# KiCad board baseboard.stretch_bkup.kicad_pcb
title: 1590N1 BASEBOARD - PCBA; date: 2023-08-19; rev: A; company: Alessandro Rizzoni; note: PCB; note: DRAFT; note: AIR
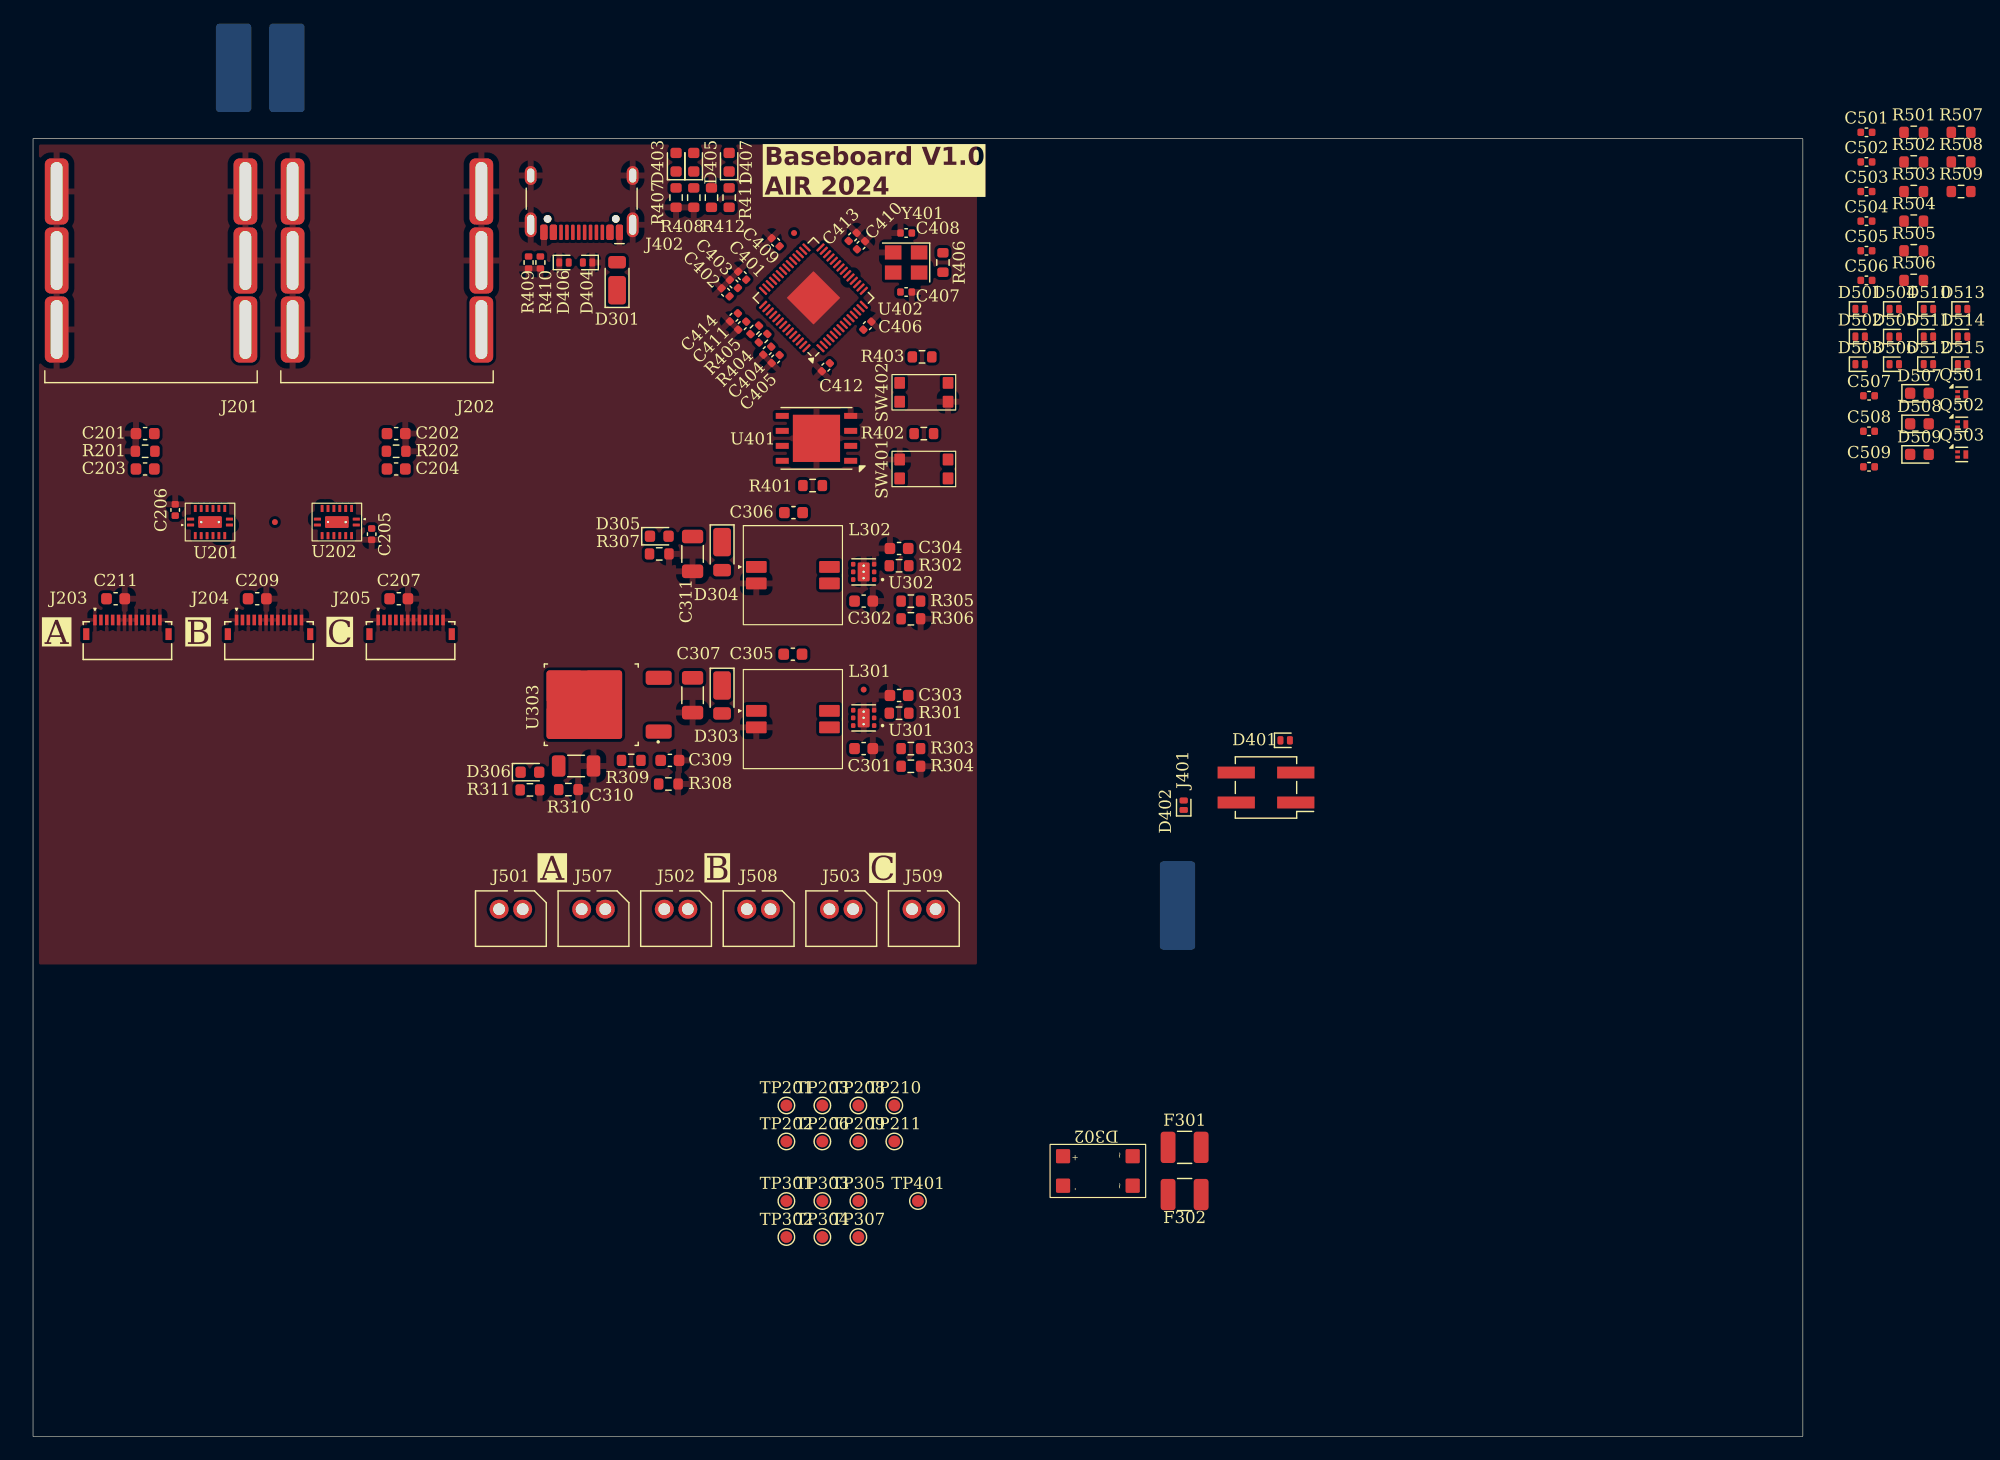
[diagram p0: board, top side]
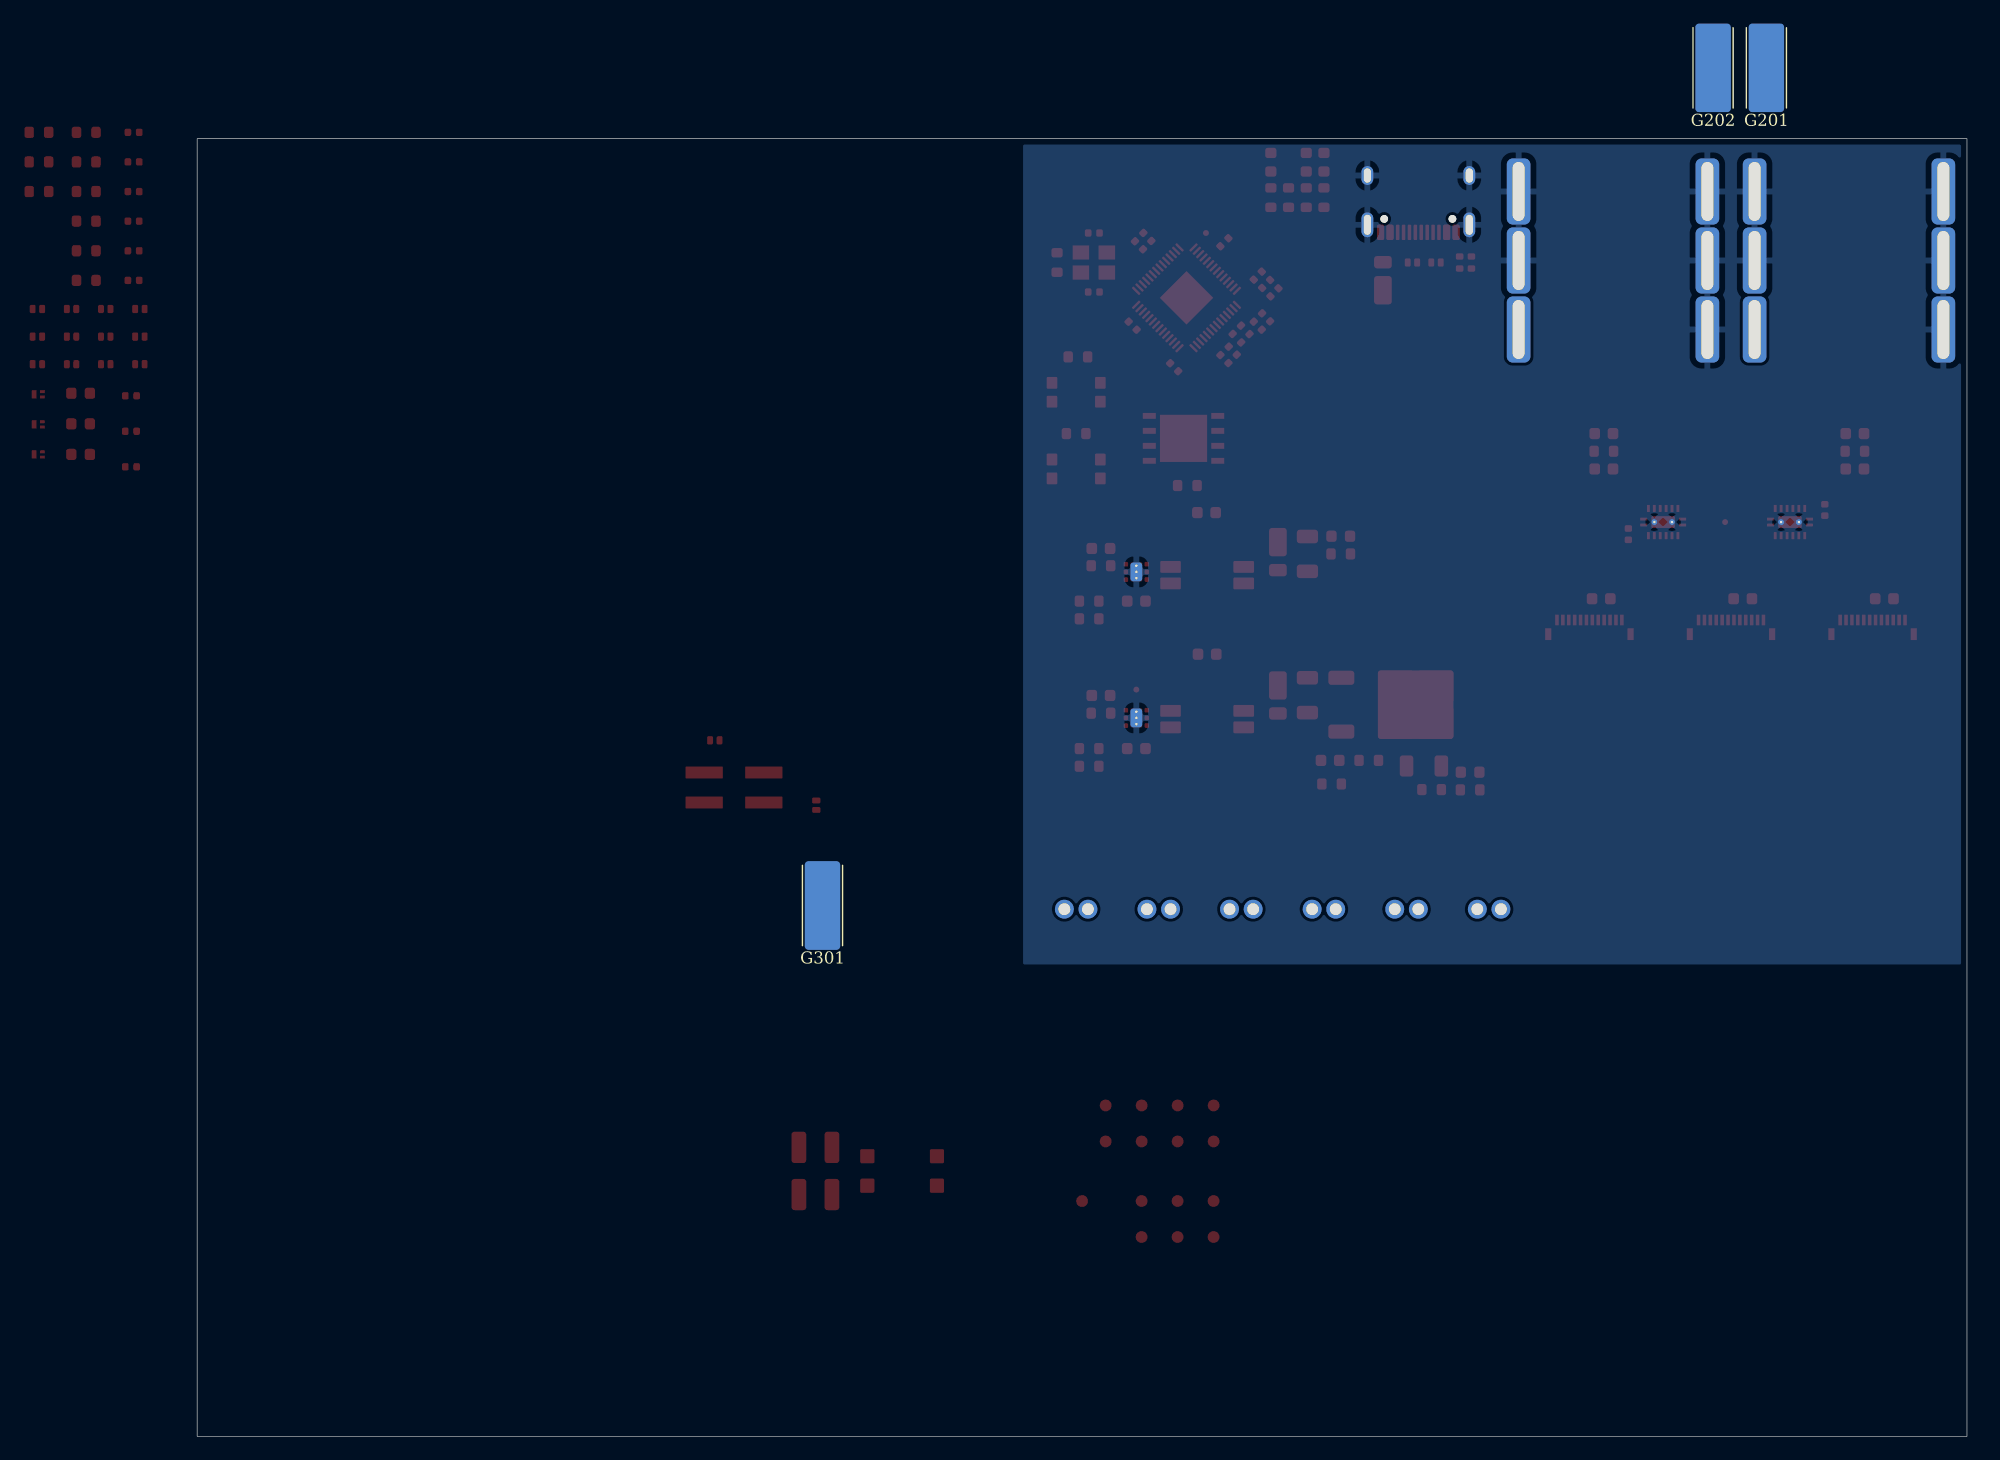
[diagram p1: board, bottom side, seen from below]

Outline 150 x 110 mm; copper layers: F.Cu (Signal), In1.Cu (Ground) (plane), In2.Cu (Signal), B.Cu (Ground). Coordinates in mm from the lower left corner of the outline.
Outline path: rectangle 0,110 150,0
Stack: F.Cu (Signal) 0.035mm / dielectric 0.1mm FR4 er 4.5 / In1.Cu (Ground) 0.0152mm / dielectric 1.2796mm Copper er 4.5 / In2.Cu (Signal) 0.0152mm / dielectric 0.1mm FR4 er 4.5 / B.Cu (Ground) 0.035mm

## Placement (name value [footprint] x y rotation side)
C201  150p  [C_0603_1608Metric]  9.5 85 180 top
C202  150p  [C_0603_1608Metric]  30.78 85 0 top
C203  39n  [C_0603_1608Metric]  9.5 82 180 top
C204  39n  [C_0603_1608Metric]  30.78 82 0 top
C205  100n  [C_0402_1005Metric]  28.7 76.48 270 top
C206  100n  [C_0402_1005Metric]  12.05 78.53 90 top
C207  1u  [C_0603_1608Metric]  31 71 180 top
C209  1u  [C_0603_1608Metric]  19 71 180 top
C211  1u  [C_0603_1608Metric]  7 71 180 top
C301  1u  [C_0603_1608Metric]  70.4 58.3 180 top
C302  1u  [C_0603_1608Metric]  70.4 70.8 0 top
C303  680p  [C_0603_1608Metric]  73.4 62.8 180 top
C304  680p  [C_0603_1608Metric]  73.4 75.26 180 top
C305  1u  [C_0603_1608Metric]  64.4 66.3 180 top
C306  1u  [C_0603_1608Metric]  64.45 78.3 180 top
C307  12u  [C_1206_3216Metric]  55.9 62.83 90 top
C309  1u  [C_0603_1608Metric]  53.98 57.3 180 top
C310  12u  [C_1206_3216Metric]  46.03 56.83 180 top
C311  12u  [C_1206_3216Metric]  55.9 74.8 90 top
C401  100n  [C_0402_1005Metric]  60.11 98.39 135 top
C402  100n  [C_0402_1005Metric]  58.69 96.97 135 top
C403  100n  [C_0402_1005Metric]  59.4 97.68 135 top
C404  100n  [C_0402_1005Metric]  62.23 92.03 225 top
C405  100n  [C_0402_1005Metric]  62.94 91.32 225 top
C406  100n  [C_0402_1005Metric]  70.71 94.15 45 top
C407  15p  [C_0402_1005Metric]  74 97 180 top
C408  15p  [C_0402_1005Metric]  74 102 0 top
C409  100n  [C_0402_1005Metric]  62.94 101.22 135 top
C410  100n  [C_0402_1005Metric]  70.18 100.96 45 top
C411  1u  [C_0402_1005Metric]  60.11 94.15 225 top
C412  100n  [C_0402_1005Metric]  67.19 90.63 225 top
C413  100n  [C_0402_1005Metric]  69.47 101.67 45 top
C414  1u  [C_0402_1005Metric]  59.4 94.85 225 top
C501  100n  [C_0402_1005Metric]  155.39 110.54 0 top
C502  100n  [C_0402_1005Metric]  155.39 108.03 0 top
C503  100n  [C_0402_1005Metric]  155.39 105.52 0 top
C504  100n  [C_0402_1005Metric]  155.39 103.01 0 top
C505  100n  [C_0402_1005Metric]  155.39 100.5 0 top
C506  100n  [C_0402_1005Metric]  155.39 97.99 0 top
C507  1u  [C_0402_1005Metric]  155.61 88.21 0 top
C508  1u  [C_0402_1005Metric]  155.61 85.2 0 top
C509  1u  [C_0402_1005Metric]  155.61 82.19 0 top
D301  DFLS240L-7  [D_PowerDI-123]  49.5 98 90 top
D302  CD-HD2004  [BOURNS_CD_HD2x]  95.8 22.45 90 top
D303  DFLS240L-7  [D_PowerDI-123]  58.4 62.8 270 top
D304  DFLS240L-7  [D_PowerDI-123]  58.4 74.95 270 top
D305  RED  [LED_0603_1608Metric]  53.07 76.3 0 top
D306  RED  [LED_0603_1608Metric]  42.11 56.3 0 top
D401  DESD3V3S1BL-7B  [D_SOD-882D]  106.12 59 0 top
D402  DESD3V3S1BL-7B  [D_SOD-882D]  97.53 53.5 90 top
D403  GREEN  [LED_0603_1608Metric]  54.5 108 90 top
D404  DESD3V3S1BL-7B  [D_SOD-882D]  47 99.5 180 top
D405  YELLOW  [LED_0603_1608Metric]  56 108 90 top
D406  DESD3V3S1BL-7B  [D_SOD-882D]  45 99.5 0 top
D407  RED  [LED_0603_1608Metric]  59 108 90 top
D501  DESD3V3S1BL-7B  [D_SOD-882D]  154.85 95.56 0 top
D502  DESD3V3S1BL-7B  [D_SOD-882D]  154.85 93.22 0 top
D503  DESD3V3S1BL-7B  [D_SOD-882D]  154.85 90.88 0 top
D504  DESD3V3S1BL-7B  [D_SOD-882D]  157.75 95.56 0 top
D505  DESD3V3S1BL-7B  [D_SOD-882D]  157.75 93.22 0 top
D506  DESD3V3S1BL-7B  [D_SOD-882D]  157.75 90.88 0 top
D507  RED  [LED_0603_1608Metric]  159.88 88.42 0 top
D508  RED  [LED_0603_1608Metric]  159.88 85.83 0 top
D509  RED  [LED_0603_1608Metric]  159.88 83.24 0 top
D510  DESD3V3S1BL-7B  [D_SOD-882D]  160.65 95.56 0 top
D511  DESD3V3S1BL-7B  [D_SOD-882D]  160.65 93.22 0 top
D512  DESD3V3S1BL-7B  [D_SOD-882D]  160.65 90.88 0 top
D513  DESD3V3S1BL-7B  [D_SOD-882D]  163.54 95.56 0 top
D514  DESD3V3S1BL-7B  [D_SOD-882D]  163.54 93.22 0 top
D515  DESD3V3S1BL-7B  [D_SOD-882D]  163.54 90.88 0 top
F301  MF-USHT020KX-2  [Fuse_1210_3225Metric]  97.6 24.5 180 top
F302  MF-USHT020KX-2  [Fuse_1210_3225Metric]  97.6 20.5 0 top
FID201  FIDUCIAL  [Fiducial_0.5mm_Mask1mm]  20.5 77.5 0 top
FID301  FIDUCIAL  [Fiducial_0.5mm_Mask1mm]  70.4 63.3 0 top
FID401  FIDUCIAL  [Fiducial_0.5mm_Mask1mm]  64.5 102 0 top
G201  CHASSIS  [Harwin_EMI_Finger_S7061-46R]  17 116 180 bottom
G202  CHASSIS  [Harwin_EMI_Finger_S7061-46R]  21.52 116 180 bottom
G301  CHASSIS  [Harwin_EMI_Finger_S7061-46R]  97 45 180 bottom
J201  ACJS-IHS  [Amphenol_ACJS-IHS]  10 99.32 0 top
J202  ACJS-IHS  [Amphenol_ACJS-IHS]  30 99.32 0 top
J203  59453-121110ECHLF  [AMPHENOL_59453-121110ECHLF]  8 68 0 top
J204  59453-121110ECHLF  [AMPHENOL_59453-121110ECHLF]  20 68 0 top
J205  59453-121110ECHLF  [AMPHENOL_59453-121110ECHLF]  32 68 0 top
J401  2x2 PIN HEADER  [PinHeader_2x02_P2.54mm_Vertical_SMD]  104.5 55 180 top
J402  USB_C_Receptacle_USB2.0_14P  [USB_C_Receptacle_HCTL_HC-TYPE-C-16P-01A]  46.5 105.8 180 top
J501  6-440054-2  [TE_HPI_2.0MM_PITCH_MALE_HEADER_2POS]  40.5 46.44 180 top
J502  6-440054-2  [TE_HPI_2.0MM_PITCH_MALE_HEADER_2POS]  54.5 46.44 180 top
J503  6-440054-2  [TE_HPI_2.0MM_PITCH_MALE_HEADER_2POS]  68.5 46.44 180 top
J507  6-440054-2  [TE_HPI_2.0MM_PITCH_MALE_HEADER_2POS]  47.5 46.44 180 top
J508  6-440054-2  [TE_HPI_2.0MM_PITCH_MALE_HEADER_2POS]  61.5 46.44 180 top
J509  6-440054-2  [TE_HPI_2.0MM_PITCH_MALE_HEADER_2POS]  75.5 46.44 180 top
L301  22u  [EATON_DRQ73-220-R]  64.4 60.8 0 top
L302  22u  [EATON_DRQ73-220-R]  64.4 73 0 top
Q501  DMN62D0LFB-7  [Diodes_DFN1006-3]  163.47 88.33 0 top
Q502  DMN62D0LFB-7  [Diodes_DFN1006-3]  163.47 85.78 0 top
Q503  DMN62D0LFB-7  [Diodes_DFN1006-3]  163.47 83.23 0 top
R201  1M  [R_0603_1608Metric]  9.5 83.5 180 top
R202  1M  [R_0603_1608Metric]  30.78 83.5 0 top
R301  10k  [R_0603_1608Metric]  73.4 61.3 0 top
R302  10k  [R_0603_1608Metric]  73.4 73.8 0 top
R303  113k  [R_0603_1608Metric]  74.4 58.3 180 top
R304  10k  [R_0603_1608Metric]  74.4 56.8 0 top
R305  16.9k  [R_0603_1608Metric]  74.4 70.8 180 top
R306  10k  [R_0603_1608Metric]  74.4 69.3 0 top
R307  120  [R_0603_1608Metric]  53.08 74.8 0 top
R308  750  [R_0603_1608Metric]  53.85 55.3 0 top
R309  120  [R_0603_1608Metric]  50.7 57.3 0 top
R310  1k  [R_0603_1608Metric]  45.38 54.83 180 top
R311  750  [R_0603_1608Metric]  42.11 54.8 0 top
R401  10k  [R_0603_1608Metric]  66.07 80.59 0 top
R402  1k  [R_0603_1608Metric]  75.5 85 0 top
R403  1k  [R_0603_1608Metric]  75.35 91.5 180 top
R404  27.4  [R_0402_1005Metric]  61.88 93.09 45 top
R405  27.4  [R_0402_1005Metric]  61.17 93.79 45 top
R406  1k  [R_0603_1608Metric]  77.12 99.5 270 top
R407  120  [R_0603_1608Metric]  54.5 105 270 top
R408  120  [R_0603_1608Metric]  56 105 270 top
R409  5.1k  [R_0402_1005Metric]  42 99.5 90 top
R410  5.1k  [R_0402_1005Metric]  43 99.5 90 top
R411  120  [R_0603_1608Metric]  59 105 270 top
R412  120  [R_0603_1608Metric]  57.5 105 90 top
R501  120  [R_0603_1608Metric]  159.4 110.54 0 top
R502  120  [R_0603_1608Metric]  159.4 108.03 0 top
R503  120  [R_0603_1608Metric]  159.4 105.52 0 top
R504  10k  [R_0603_1608Metric]  159.4 103.01 0 top
R505  10k  [R_0603_1608Metric]  159.4 100.5 0 top
R506  10k  [R_0603_1608Metric]  159.4 97.99 0 top
R507  120  [R_0603_1608Metric]  163.41 110.54 0 top
R508  120  [R_0603_1608Metric]  163.41 108.03 0 top
R509  120  [R_0603_1608Metric]  163.41 105.52 0 top
SW401  SW_PUSH  [KMR441NG LFS]  75.5 82 0 top
SW402  SW_PUSH  [KMR441NG LFS]  75.5 88.5 180 top
TP201  TEST POINT  [TestPoint_Pad_D1.0mm]  63.85 28.05 0 top
TP202  TEST POINT  [TestPoint_Pad_D1.0mm]  63.85 25 0 top
TP203  TEST POINT  [TestPoint_Pad_D1.0mm]  66.9 28.05 0 top
TP206  TEST POINT  [TestPoint_Pad_D1.0mm]  66.9 25 0 top
TP208  TEST POINT  [TestPoint_Pad_D1.0mm]  69.95 28.05 0 top
TP209  TEST POINT  [TestPoint_Pad_D1.0mm]  69.95 25 0 top
TP210  TEST POINT  [TestPoint_Pad_D1.0mm]  73 28.05 0 top
TP211  TEST POINT  [TestPoint_Pad_D1.0mm]  73 25 0 top
TP301  TEST POINT  [TestPoint_Pad_D1.0mm]  63.85 19.95 0 top
TP302  TEST POINT  [TestPoint_Pad_D1.0mm]  63.85 16.9 0 top
TP303  TEST POINT  [TestPoint_Pad_D1.0mm]  66.9 19.95 0 top
TP304  TEST POINT  [TestPoint_Pad_D1.0mm]  66.9 16.9 0 top
TP305  TEST POINT  [TestPoint_Pad_D1.0mm]  69.95 19.95 0 top
TP307  TEST POINT  [TestPoint_Pad_D1.0mm]  69.95 16.9 0 top
TP401  TEST POINT  [TestPoint_Pad_D1.0mm]  75 19.95 0 top
U201  TMUX4053BQBR  [Texas_BQB0016A_WQFN-16]  19.25 77 90 top
U202  TMUX4053BQBR  [Texas_BQB0016A_WQFN-16]  21.5 78 270 top
U301  TPS61170  [WSON-6-1EP_2x2mm_P0.65mm_EP1x1.6mm_ThermalVias]  70.4 60.9 180 top
U302  TPS61170  [WSON-6-1EP_2x2mm_P0.65mm_EP1x1.6mm_ThermalVias]  70.4 73.27 180 top
U303  LM317AMDTX/NOPB  [TO-252-2]  47.99 62.02 180 top
U401  AT25SF128A-MHB-T  [DFN-8-1EP_6x5mm_P1.27mm_EP4x4mm]  66.4 84.6 180 top
U402  RP2040  [QFN-56-1EP_7x7mm_P0.4mm_EP3.2x3.2mm]  66.15 96.51 135 top
Y401  ABM8-272-T3  [Crystal_SMD_Abracon_ABM8G-4Pin_3.2x2.5mm]  74 99.5 180 top

## Library data of the parts
C201-C204 = -: Note 1: C0G(NP0); Note 2: 30V; ki_fp_filters: C_*
C205 C206 C401-C406 C409-C414 C501-C509 = -: ki_fp_filters: C_*
C207 C209 C211 C301 C307 C309-C311 = -: Note 1: 30V; ki_fp_filters: C_*
C302 C305 = -: Description: Unpolarized capacitor; Note 1: 30V; ki_fp_filters: C_*
C303 C304 C407 C408 = -: Description: Unpolarized capacitor; ki_fp_filters: C_*
C306 = -: Description: Unpolarized capacitor; Note #1: 30V; ki_fp_filters: C_*
D301 D303 D304 = -: Datasheet: https://www.diodes.com/assets/Datasheets/DFLS240L.pdf; Manufacturer: Diodes Inc.; Manufacturer (Alternate): Diodes Inc.; Part Number (Alternate): DFLS260L-7; ki_fp_filters: TO-???* *_Diode_* *SingleDiode* D_*
D302 = -: Datasheet: https://www.bourns.com/docs/Product-Datasheets/cd-hd2xl.pdf; Description: Diode bridge, -ve/AC/AC/+ve; Manufacturer: Bourns; Manufacturer (Alternate): Bourns; Part Number (Alternate): CD-HD2006; ki_fp_filters: D*Bridge* D*Rectifier*
D305 D306 D407 D507-D509 = -: Datasheet: https://www.we-online.com/components/products/datasheet/150060RS75000.pdf; Description: Light emitting diode, filled shape; Manufacturer: Wurth; Part Number: 150060RS75000; Manufacturer (Alternate): Lite-On Inc.; Part Number (Alternate): LTST-C193KRKT-5A; ki_fp_filters: LED* LED_SMD:* LED_THT:*
D401 D402 D404 D406 D501-D506 D510-D515 = -: Datasheet: https://www.diodes.com/assets/Datasheets/DESD3V3S1BL.pdf; Description: Bidirectional transient-voltage-suppression diode, filled shape; Manufacturer: Diodes Inc.; Manufacturer (Alternate): Diodes Inc.; Part Number (Alternate): DESD3V3E1BL-7B; ki_fp_filters: TO-???* *_Diode_* *SingleDiode* D_*
D403 = -: Datasheet: https://www.we-online.com/components/products/datasheet/150060VS75000.pdf; Description: Light emitting diode, filled shape; Manufacturer: Wurth; Part Number: 150060VS75000; Manufacturer (Alternate): Lite-On Inc.; Part Number (Alternate): LTST-C193KGKT-5A; ki_fp_filters: LED* LED_SMD:* LED_THT:*
D405 = -: Datasheet: https://www.we-online.com/components/products/datasheet/150060YS75000.pdf; Description: Light emitting diode, filled shape; Manufacturer: Wurth; Part Number: 150060YS75000; Manufacturer (Alternate): Lite-On Inc.; Part Number (Alternate): LTST-C193KSKT-5A; ki_fp_filters: LED* LED_SMD:* LED_THT:*
F301 F302 = -: Datasheet: https://www.bourns.com/docs/product-datasheets/mf-usht.pdf?sfvrsn=99f06af6_26; Description: Resettable fuse, polymeric positive temperature coefficient; Manufacturer: Bourns; Manufacturer (Alternate): Bourns; Part Number (Alternate): MF-NSHT020KX-2; ki_fp_filters: *polyfuse* *PTC*
FID201 FID301 FID401 = -: Datasheet: N/A; Manufacturer: N/A; Part Number: N/A; Manufacturer (Alternate): N/A; Part Number (Alternate): N/A; ki_fp_filters: Fiducial*
G201 G202 G301 = -: Datasheet: https://cdn.harwin.com/pdfs/Harwin_Product_Catalog_page_281.pdf; Manufacturer: Harwin; Part Number: S7061-46R; Manufacturer (Alternate): Harwin; Part Number (Alternate): S7061-42R
J201 J202 = -: Datasheet: https://www.amphenol-sine.com/pdf/datasheet/ACJS-IHS.pdf; Manufacturer: Amphenol; Manufacturer (Alternate): Amphenol; Part Number (Alternate): ACJS-MHS; ki_fp_filters: Jack*
J203-J205 = -: Datasheet: https://cdn.amphenol-cs.com/media/wysiwyg/files/documentation/customerpresentation/fci_basics_ffc_fpc_productpresentation.pdf; Description: Generic connector, single row, 01x12, script generated (kicad-library-utils/schlib/autogen/connector/); Manufacturer: Amphenol ICC; Manufacturer (Alternate): Amphenol ICC; Part Number (Alternate): 59453-121110EDHLF; ki_fp_filters: Connector*:*_1x??_*
J401 = -: Datasheet: https://s3.amazonaws.com/catalogspreads-pdf/PAGE112-113%20.100%20MALE%20HDR.pdf; Manufacturer: Sullins Connector Solutions; Part Number: GEC02DABN-M30; Manufacturer (Alternate): Harwin; Part Number (Alternate): M20-8760246P; ki_fp_filters: Connector*:*_1x??_*
J402 = -: Datasheet: https://www.usb.org/sites/default/files/documents/usb_type-c.zip; Manufacturer: Amphenol; Part Number: GSB1C4621DS1HR; Manufacturer (Alternate): Amphenol; Part Number (Alternate): GSB1C4621DSHR; ki_fp_filters: USB*C*Receptacle*
J501-J503 J507-J509 = -: Datasheet: https://www.te.com/commerce/DocumentDelivery/DDEController?Action=srchrtrv&DocNm=1-1773713-2_HPI_QRG_EN&DocType=Data+Sheet&DocLang=English&DocFormat=pdf&PartCntxt=6-440054-2; Manufacturer: TE Connectivity AMP Connectors; Manufacturer (Alternate): JST; Part Number (Alternate): B2B-PH-K-S; ki_fp_filters: Connector*:*_1x??_*
L301 L302 = -: Datasheet: https://www.eaton.com/content/dam/eaton/products/electronic-components/resources/data-sheet/eaton-drq-shielded-drum-core-power-inductors-data-sheet.pdf; Description: Inductor; Manufacturer: Eaton; Part Number: DRQ73-220-R; Manufacturer (Alternate): N/A; Part Number (Alternate): N/A; ki_fp_filters: Choke_* *Coil* Inductor_* L_*
Q501-Q503 = -: Datasheet: https://www.diodes.com/assets/Datasheets/DMN62D0LFB.pdf; Description: N-MOSFET transistor, gate/drain/source; Manufacturer: Diodes Inc.; Manufacturer (Alternate): Diodes Inc.; Part Number (Alternate): DMN62D1LFB-7
R201 R202 = -: Note 1: Metal Film; ki_fp_filters: R_*
R301-R307 R311 R407 R408 R411 R412 R501-R503 = -: Description: Resistor, US symbol; ki_fp_filters: R_*
R308-R310 R401-R406 R409 R410 R504-R509 = -: ki_fp_filters: R_*
SW401 SW402 = -: Datasheet: https://www.ckswitches.com/media/1480/kmr4.pdf; Manufacturer: C&K; Part Number: KMR441NG LFS; Manufacturer (Alternate): C&K; Part Number (Alternate): KMR441G LFS
TP201-TP203 TP206 TP208-TP211 TP301-TP305 TP307 TP401 = -: Datasheet: N/A; Manufacturer: N/A; Part Number: N/A; Manufacturer (Alternate): N/A; Part Number (Alternate): N/A; ki_fp_filters: Pin* Test*
U201 U202 = -: Datasheet: https://www.ti.com/lit/ds/symlink/tmux4053.pdf?ts=1715636648226&ref_url=https%253A%252F%252Fwww.ti.com%252Fproduct%252FTMUX4053; Manufacturer: Texas Instruments; Manufacturer (Alternate): Nexperia; Part Number (Alternate): 74HC4053BQ,115
U301 U302 = -: Datasheet: https://www.ti.com/lit/ds/symlink/tps61170.pdf?HQS=dis-dk-null-digikeymode-dsf-pf-null-wwe&ts=1714356310390&ref_url=https%253A%252F%252Fwww.ti.com%252Fgeneral%252Fdocs%252Fsuppproductinfo.tsp%253FdistId%253D10%2526gotoUrl%253Dhttps%253A%252F%252Fwww.ti.com%252Flit%252Fgpn%252Ftps61170; Manufacturer: Texas Instruments; Manufacturer (Alternate): Texas Instruments; Part Number: TPS61170DRVR; Part Number (Alternate): TPS61170DRVRQ1
U303 = -: Datasheet: https://www.ti.com/general/docs/suppproductinfo.tsp?distId=10&gotoUrl=https%3A%2F%2Fwww.ti.com%2Flit%2Fgpn%2Flm317a; Manufacturer: Texas Instruments; Manufacturer (Alternate): Texas Instruments; Part Number (Alternate): LM317AMDT/NOPB; ki_fp_filters: TO?252*
U401 = -: Datasheet: https://www.renesas.com/us/en/document/dst/at25sf128a-datasheet?r=1608781; Manufacturer: Renesas; Manufacturer (Alternate): Renesas; Part Number (Alternate): AT25QF128A-MHB-T; ki_fp_filters: DFN*3x2mm*P0.5mm*
U402 = -: Datasheet: https://datasheets.raspberrypi.com/rp2040/rp2040-datasheet.pdf; Manufacturer: Raspberry Pi; Manufacturer (Alternate): N/A; Part Number: SC0914(13); Part Number (Alternate): N/A; ki_fp_filters: QFN*1EP*7x7mm?P0.4mm*
Y401 = -: Datasheet: https://mm.digikey.com/Volume0/opasdata/d220001/medias/docus/6128/ABM8-272-T3.pdf; Manufacturer: Abracon; Manufacturer (Alternate): N/A; Part Number (Alternate): N/A; ki_fp_filters: Crystal*

## Footprints (pads in the part's own frame, mm; a bottom-side part is the same pattern mirrored in y, then rotated)
AMPHENOL_59453-121110ECHLF
  rect 0.3x0.9 smd: 1(-2.75,1.2) 2(-2.25,1.2) 3(-1.75,1.2) 4(-1.25,1.2) 5(-0.75,1.2) 6(-0.25,1.2) 7(0.25,1.2) 8(0.75,1.2) 9(1.25,1.2) 10(1.75,1.2) 11(2.25,1.2) 12(2.75,1.2)
  rect 0.52x1 smd: S1(-3.49,0) S2(3.49,0)
Amphenol_ACJS-IHS
  rrect 2x5.6 hole 1x5: R(8,0.35) RN(-8,0.35) S(8,6.2) SN(-8,6.2) T(8,-5.5) TN(-8,-5.5)
BOURNS_CD_HD2x
  rrect 1.2x1.2 smd: 1(-1.2,8.5) 2(-1.2,2.6) 3(1.3,2.6) 4(1.3,8.5)
C_0402_1005Metric
  rrect 0.56x0.62 smd: 1(-0.48,0) 2(0.48,0)
C_0603_1608Metric
  rrect 0.9x0.95 smd: 1(-0.775,0) 2(0.775,0)
C_1206_3216Metric
  rrect 1.15x1.8 smd: 1(-1.475,0) 2(1.475,0)
Crystal_SMD_Abracon_ABM8G-4Pin_3.2x2.5mm
  rect 1.4x1.2 smd: 1(-1.1,-0.85) 2(1.1,-0.85) 3(1.1,0.85) 4(-1.1,0.85)
D_PowerDI-123
  rrect 2.4x1.5 smd: 1(-0.85,0)
  rrect 1.05x1.5 smd: 2(1.525,0)
D_SOD-882D
  rrect 0.3x0.6 smd: (-0.35,0) (0.35,0)
  rrect 0.5x0.7 smd: 1(-0.4,0) 2(0.4,0)
DFN-8-1EP_6x5mm_P1.27mm_EP4x4mm
  rect 0.8x0.8 smd: (-1.5,1.5) (-1.5,0.5) (-1.5,-0.5) (-1.5,-1.5) (-0.5,1.5) (-0.5,0.5) (-0.5,-0.5) (-0.5,-1.5) (0.5,1.5) (0.5,0.5) (0.5,-0.5) (0.5,-1.5) (1.5,1.5) (1.5,0.5) (1.5,-0.5) (1.5,-1.5)
  rect 1.1x0.5 smd: 1(-2.9,1.905) 2(-2.9,0.635) 3(-2.9,-0.635) 4(-2.9,-1.905) 5(2.9,-1.905) 6(2.9,-0.635) 7(2.9,0.635) 8(2.9,1.905)
  rect 4x4 smd: 9(0,0)
Diodes_DFN1006-3
  rect 0.4x0.25 smd: 1(-0.35,0.225) 2(-0.35,-0.225)
  rect 0.4x0.7 smd: 3(0.35,0)
EATON_DRQ73-220-R
  rrect 1.75x1 smd: 1(-3.1,0.7) 2(-3.1,-0.7) 3(3.1,0.7) 4(3.1,-0.7)
Fiducial_0.5mm_Mask1mm
  round 0.5 smd: (0,0)
Fuse_1210_3225Metric
  rrect 1.25x2.65 smd: 1(-1.4,0) 2(1.4,0)
Harwin_EMI_Finger_S7061-46R
  rrect 3x7.5 smd: 1(0,0)
KMR441NG LFS
  rrect 0.9x1 smd: 1(-2.05,0.8) 2(-2.05,-0.8) 3(2.05,-0.8) 4(2.05,0.8)
LED_0603_1608Metric
  rrect 0.875x0.95 smd: 1(-0.787,0) 2(0.787,0)
PinHeader_2x02_P2.54mm_Vertical_SMD
  rect 3.15x1 smd: 1(-2.525,1.27) 2(2.525,1.27) 3(-2.525,-1.27) 4(2.525,-1.27)
QFN-56-1EP_7x7mm_P0.4mm_EP3.2x3.2mm
  rrect 1.29x1.29 smd: (-0.8,0.8) (-0.8,-0.8) (0.8,0.8) (0.8,-0.8)
  rrect 0.875x0.2 smd: 1(-3.438,2.6) 2(-3.438,2.2) 3(-3.438,1.8) 4(-3.438,1.4) 5(-3.438,1) 6(-3.438,0.6) 7(-3.438,0.2) 8(-3.438,-0.2) 9(-3.438,-0.6) 10(-3.438,-1) 11(-3.438,-1.4) 12(-3.438,-1.8) 13(-3.438,-2.2) 14(-3.438,-2.6) 29(3.438,-2.6) 30(3.438,-2.2) 31(3.438,-1.8) 32(3.438,-1.4) 33(3.438,-1) 34(3.438,-0.6) 35(3.438,-0.2) 36(3.438,0.2) 37(3.438,0.6) 38(3.438,1) 39(3.438,1.4) 40(3.438,1.8) 41(3.438,2.2) 42(3.438,2.6)
  rrect 0.2x0.875 smd: 15(-2.6,-3.438) 16(-2.2,-3.438) 17(-1.8,-3.438) 18(-1.4,-3.438) 19(-1,-3.438) 20(-0.6,-3.438) 21(-0.2,-3.438) 22(0.2,-3.438) 23(0.6,-3.438) 24(1,-3.438) 25(1.4,-3.438) 26(1.8,-3.438) 27(2.2,-3.438) 28(2.6,-3.438) 43(2.6,3.438) 44(2.2,3.438) 45(1.8,3.438) 46(1.4,3.438) 47(1,3.438) 48(0.6,3.438) 49(0.2,3.438) 50(-0.2,3.438) 51(-0.6,3.438) 52(-1,3.438) 53(-1.4,3.438) 54(-1.8,3.438) 55(-2.2,3.438) 56(-2.6,3.438)
  rect 3.2x3.2 smd: 57(0,0)
R_0402_1005Metric
  rrect 0.54x0.64 smd: 1(-0.51,0) 2(0.51,0)
R_0603_1608Metric
  rrect 0.8x0.95 smd: 1(-0.825,0) 2(0.825,0)
TE_HPI_2.0MM_PITCH_MALE_HEADER_2POS
  round 1.6 hole 1: 1(-1,1.75) 2(1,1.75)
TestPoint_Pad_D1.0mm
  round 1 smd: 1(0,0)
Texas_BQB0016A_WQFN-16
  rrect 0.24x0.6 smd: 1(0.25,5.9) 8(0.25,2.6) 9(0.75,2.6) 16(0.75,5.9)
  rrect 0.6x0.24 smd: 2(-0.65,5.5) 3(-0.65,5) 4(-0.65,4.5) 5(-0.65,4) 6(-0.65,3.5) 7(-0.65,3) 10(1.65,3) 11(1.65,3.5) 12(1.65,4) 13(1.65,4.5) 14(1.65,5) 15(1.65,5.5)
  round 0.5 hole 0.2: 17(0.5,5) 17(0.5,3.5)
  rrect 0.8x0.85 smd: 17(0.5,4.725) 17(0.5,3.775)
  rrect 1x2 smd: 17(0.5,4.25)
TO-252-2
  rrect 2.2x1.2 smd: 1(-5.04,2.28) 3(-5.04,-2.28)
  rrect 3.05x2.75 smd: 2(-0.415,1.525) 2(-0.415,-1.525) 2(2.935,1.525) 2(2.935,-1.525)
  rrect 6.4x5.8 smd: 2(1.26,0)
USB_C_Receptacle_HCTL_HC-TYPE-C-16P-01A
  round 0.65 hole 0.65 unplated: (-2.89,2.605) (2.89,2.605)
  rrect 0.6x1.3 smd: A1(-3.2,3.745) A4(-2.4,3.745) A9(2.4,3.745) A12(3.2,3.745) B1(3.2,3.745) B4(2.4,3.745) B9(-2.4,3.745) B12(-3.2,3.745)
  rrect 0.3x1.3 smd: A5(-1.25,3.745) A6(-0.25,3.745) A7(0.25,3.745) A8(1.25,3.745) B5(1.75,3.745) B6(0.75,3.745) B7(-0.75,3.745) B8(-1.75,3.745)
  oval 1x2.1 hole 0.6x1.7: S1(-4.32,3.105) S1(4.32,3.105)
  oval 1x1.6 hole 0.6x1.2: S1(-4.32,-1.075) S1(4.32,-1.075)
WSON-6-1EP_2x2mm_P0.65mm_EP1x1.6mm_ThermalVias
  rrect 0.87x0.69 smd: (0,0.4) (0,-0.4)
  rrect 0.375x0.4 smd: 1(-0.887,0.65) 2(-0.887,0) 3(-0.887,-0.65) 4(0.887,-0.65) 5(0.887,0) 6(0.887,0.65)
  round 0.5 hole 0.2: 7(0,0.525) 7(0,0) 7(0,-0.525)
  rrect 1x1.6 smd: 7(0,0)
  rrect 1x1.6 smd far side: 7(0,0)

## Nets
+1V1: C411.1 C413.1 U402.23 U402.45 U402.50
+3V3: C311.2 C401.1 C402.1 C403.1 C404.1 C405.1 C406.1 C409.1 C410.1 C412.1 C414.1 C501.2 C502.2 C503.2 C504.2 C505.2 C506.2 D304.1 D305.2 D504.2 D505.2 D506.2 D513.2 D514.2 D515.2 J401.1 J501.1 J502.1 J503.1 J507.1 J508.1 J509.1 R305.1 R401.1 TP302.1 U401.8 U402.1 U402.10 U402.22 U402.33 U402.42 U402.43 U402.44 U402.48 U402.49
+12V: C205.1 C206.1 C207.2 C209.2 C211.2 C310.2 D306.2 J203.2 J204.2 J205.2 R309.1 R310.2 TP203.1 TP206.1 TP208.1 TP303.1 U201.16 U202.16 U303.2
/POWER/+12VREG_FBP: C309.2 R308.1 R309.2 U303.1
/POWER/+15V_RAW: C307.2 D303.1 R303.1 TP304.1 U303.3
GND: C201.2 C202.2 C205.2 C206.2 C207.1 C209.1 C211.1 C301.1 C302.2 C303.2 C304.2 C307.1 C309.1 C310.1 C311.1 C401.2 C402.2 C403.2 C404.2 C405.2 C406.2 C407.1 C408.1 C409.2 C410.2 C411.2 C412.2 C413.2 C414.2 C501.1 C502.1 C503.1 C504.1 C505.1 C506.1 C507.1 C508.1 C509.1 D302.1 D401.1 D402.1 D404.1 D406.1 D501.1 D502.1 D503.1 D504.1 D505.1 D506.1 D510.1 D511.1 D512.1 D513.1 D514.1 D515.1 J201.R J201.RN J201.S J201.SN J201.TN J202.R J202.RN J202.S J202.SN J202.TN J203.1 J203.3 J203.5 J203.6 J203.7 J203.8 J203.10 J203.12 J204.1 J204.3 J204.5 J204.6 J204.7 J204.8 J204.10 J204.12 J205.1 J205.3 J205.5 J205.6 J205.7 J205.8 J205.10 J205.12 J401.4 J402.A1 J402.A12 J402.B1 J402.B12 J402.S1 L301.2 L302.2 Q501.3 Q502.3 Q503.3 R201.2 R202.2 R304.2 R306.2 R307.2 R308.2 R310.1 R311.2 R407.2 R408.2 R409.1 R410.1 R412.2 R504.1 R505.1 R506.1 SW401.1 SW402.1 TP209.1 TP210.1 TP211.1 U201.6 U201.7 U201.8 U201.17 U202.6 U202.7 U202.8 U202.17 U301.3 U301.7 U302.3 U302.7 U401.4 U401.9 U402.19 U402.57 Y401.2 Y401.4
/AUDIO/AUDIO_IN: C201.1 C203.1 J201.T R201.1 TP201.1
/AUDIO/AUDIO_IN_FILT: C203.2 U201.14
/AUDIO/AUDIO_OUT: C202.1 C204.1 J202.T R202.1 TP202.1
/AUDIO/AUDIO_OUT_FILT: C204.2 U202.4
/AUDIO/EFFECT_A_BYPASS: U201.2 U201.13
/AUDIO/EFFECT_A_TO_B: U201.4 U201.15
/AUDIO/EFFECT_B_TO_C: U202.14 U202.15
/AUDIO/EFFECT_C_BYPASS: U202.1 U202.5
/MICROCONTROLLER/QSPI_SCLK: U401.6 U402.52
/MICROCONTROLLER/QSPI_SD0: U401.5 U402.53
/MICROCONTROLLER/QSPI_SD1: U401.2 U402.55
/MICROCONTROLLER/QSPI_SD2: U401.3 U402.54
/MICROCONTROLLER/QSPI_SD3: U401.7 U402.51
/MICROCONTROLLER/QSPI_SS: R401.2 R402.2 U401.1 U402.56
/MICROCONTROLLER/SWDCK: D402.2 J401.2 U402.24
/MICROCONTROLLER/SWDIO: D401.2 J401.3 U402.25
/Peripherals/V_FTSW_RAW_A: D510.2 J507.2 R507.1
/Peripherals/V_FTSW_RAW_B: D511.2 J508.2 R508.1
/Peripherals/V_FTSW_RAW_C: D512.2 J509.2 R509.1
/Peripherals/V_LED_PROT_A: Q501.2 R501.2
/Peripherals/V_LED_PROT_B: Q502.2 R502.2
/Peripherals/V_LED_PROT_C: Q503.2 R503.2
/Peripherals/V_LED_RAW_A: D501.2 J501.2 R501.1
/Peripherals/V_LED_RAW_B: D502.2 J502.2 R502.1
/Peripherals/V_LED_RAW_C: D503.2 J503.2 R503.1
/POWER/DC_IN_RAW: D302.3 F301.2 TP307.1
/POWER/DC_IN_RECT: C301.2 C302.1 D301.1 D302.4 L301.4 L302.4 TP305.1 U301.5 U301.6 U302.5 U302.6
EFFECT_A_IN: J203.9 U201.12
EFFECT_A_LED: J203.4
EFFECT_A_OUT: J203.11 U201.1
EFFECT_B_BYPASS: U201.3 U202.12
EFFECT_B_IN: J204.9 U201.5
EFFECT_B_LED: J204.4
EFFECT_B_OUT: J204.11 U202.13
EFFECT_C_IN: J205.9 U202.2
EFFECT_C_LED: J205.4
EFFECT_C_OUT: J205.11 U202.3
FTSW_A: C507.2 R504.2 R507.2 U402.12
FTSW_B: C508.2 R505.2 R508.2 U402.13
FTSW_C: C509.2 R506.2 R509.2 U402.14
LED_A: Q501.1 U402.8
LED_B: Q502.1 U402.9
LED_C: Q503.1 U402.11
LED_USB_RX: D405.2 U402.36
LED_USB_TX: D403.2 U402.37
MUX1_A: U201.9 U402.2
MUX1_B: U201.10 U402.3
MUX1_C: U201.11 U402.4
MUX2_A: U202.9 U402.5
MUX2_B: U202.10 U402.6
MUX2_C: U202.11 U402.7
USB_DM: D404.2 J402.A7 J402.B7 R405.1
USB_DP: D406.2 J402.A6 J402.B6 R404.1
USB_VBUS: D301.2 D407.2 J402.A4 J402.A9 J402.B4 J402.B9 TP401.1
Net-(C303-Pad1): C303.1 R301.2
Net-(C304-Pad1): C304.1 R302.2
Net-(C408-Pad2): C408.2 R406.1 Y401.1
Net-(D302-Pad2): D302.2 F302.1 TP301.1
Net-(D303-A): C305.2 D303.2 L301.1
Net-(D304-A): C306.2 D304.2 L302.1
Net-(D305-K): D305.1 R307.1
Net-(D306-K): D306.1 R311.1
Net-(D403-K): D403.1 R407.1
Net-(D405-K): D405.1 R408.1
Net-(D407-K): D407.1 R411.1
Net-(D507-A): D507.2
Net-(D507-K): D507.1
Net-(D508-A): D508.2
Net-(D508-K): D508.1
Net-(D509-A): D509.2
Net-(D509-K): D509.1
Net-(J302-Pin_1): F301.1
Net-(J302-Pin_2): F302.2
Net-(J402-CC1): J402.A5 R410.2
Net-(J402-CC2): J402.B5 R409.2
Net-(R402-Pad1): R402.1 SW401.2
Net-(R403-Pad1): R403.1 SW402.2
Net-(R411-Pad2): R411.2 R412.1
Net-(U301-COMP): R301.1 U301.2
Net-(U301-FB): R303.2 R304.1 U301.1
Net-(U301-SW): C305.1 L301.3 U301.4
Net-(U302-COMP): R302.1 U302.2
Net-(U302-FB): R305.2 R306.1 U302.1
Net-(U302-SW): C306.1 L302.3 U302.4
Net-(U402-RUN): R403.2 U402.26
Net-(U402-USB_DM): R405.2 U402.46
Net-(U402-USB_DP): R404.2 U402.47
Net-(U402-XIN): C407.2 U402.20 Y401.3
Net-(U402-XOUT): R406.2 U402.21

Pads without a net: G201 1; G202 1; G301 1; J203 S1 S2; J204 S1 S2; J205 S1 S2; J402 A8 B8; SW401 3 4; SW402 3 4; U402 15 16 17 18 27 28 29 30 31 32 34 35 38 39 40 41

## Copper pours and planes (outline as drawn; the poured copper is in the pictures)
GND on F.Cu (Signal), B.Cu (Ground), In1.Cu (Ground), In2.Cu (Signal): 0,110 0,40 80,40 80,110

## Text on the board
User.Comments: 1: MANUFACTURE TO IPC CLASS 2
F.Cu (Signal): CONFIRM 1V1 BYPASS CAPACITOR PLACEMENT
F.Silkscreen: A | B | C | Baseboard V1.0 / AIR 2024
